# KiCad board sun3_60_layout2_routing2.kicad_pcb (continued)
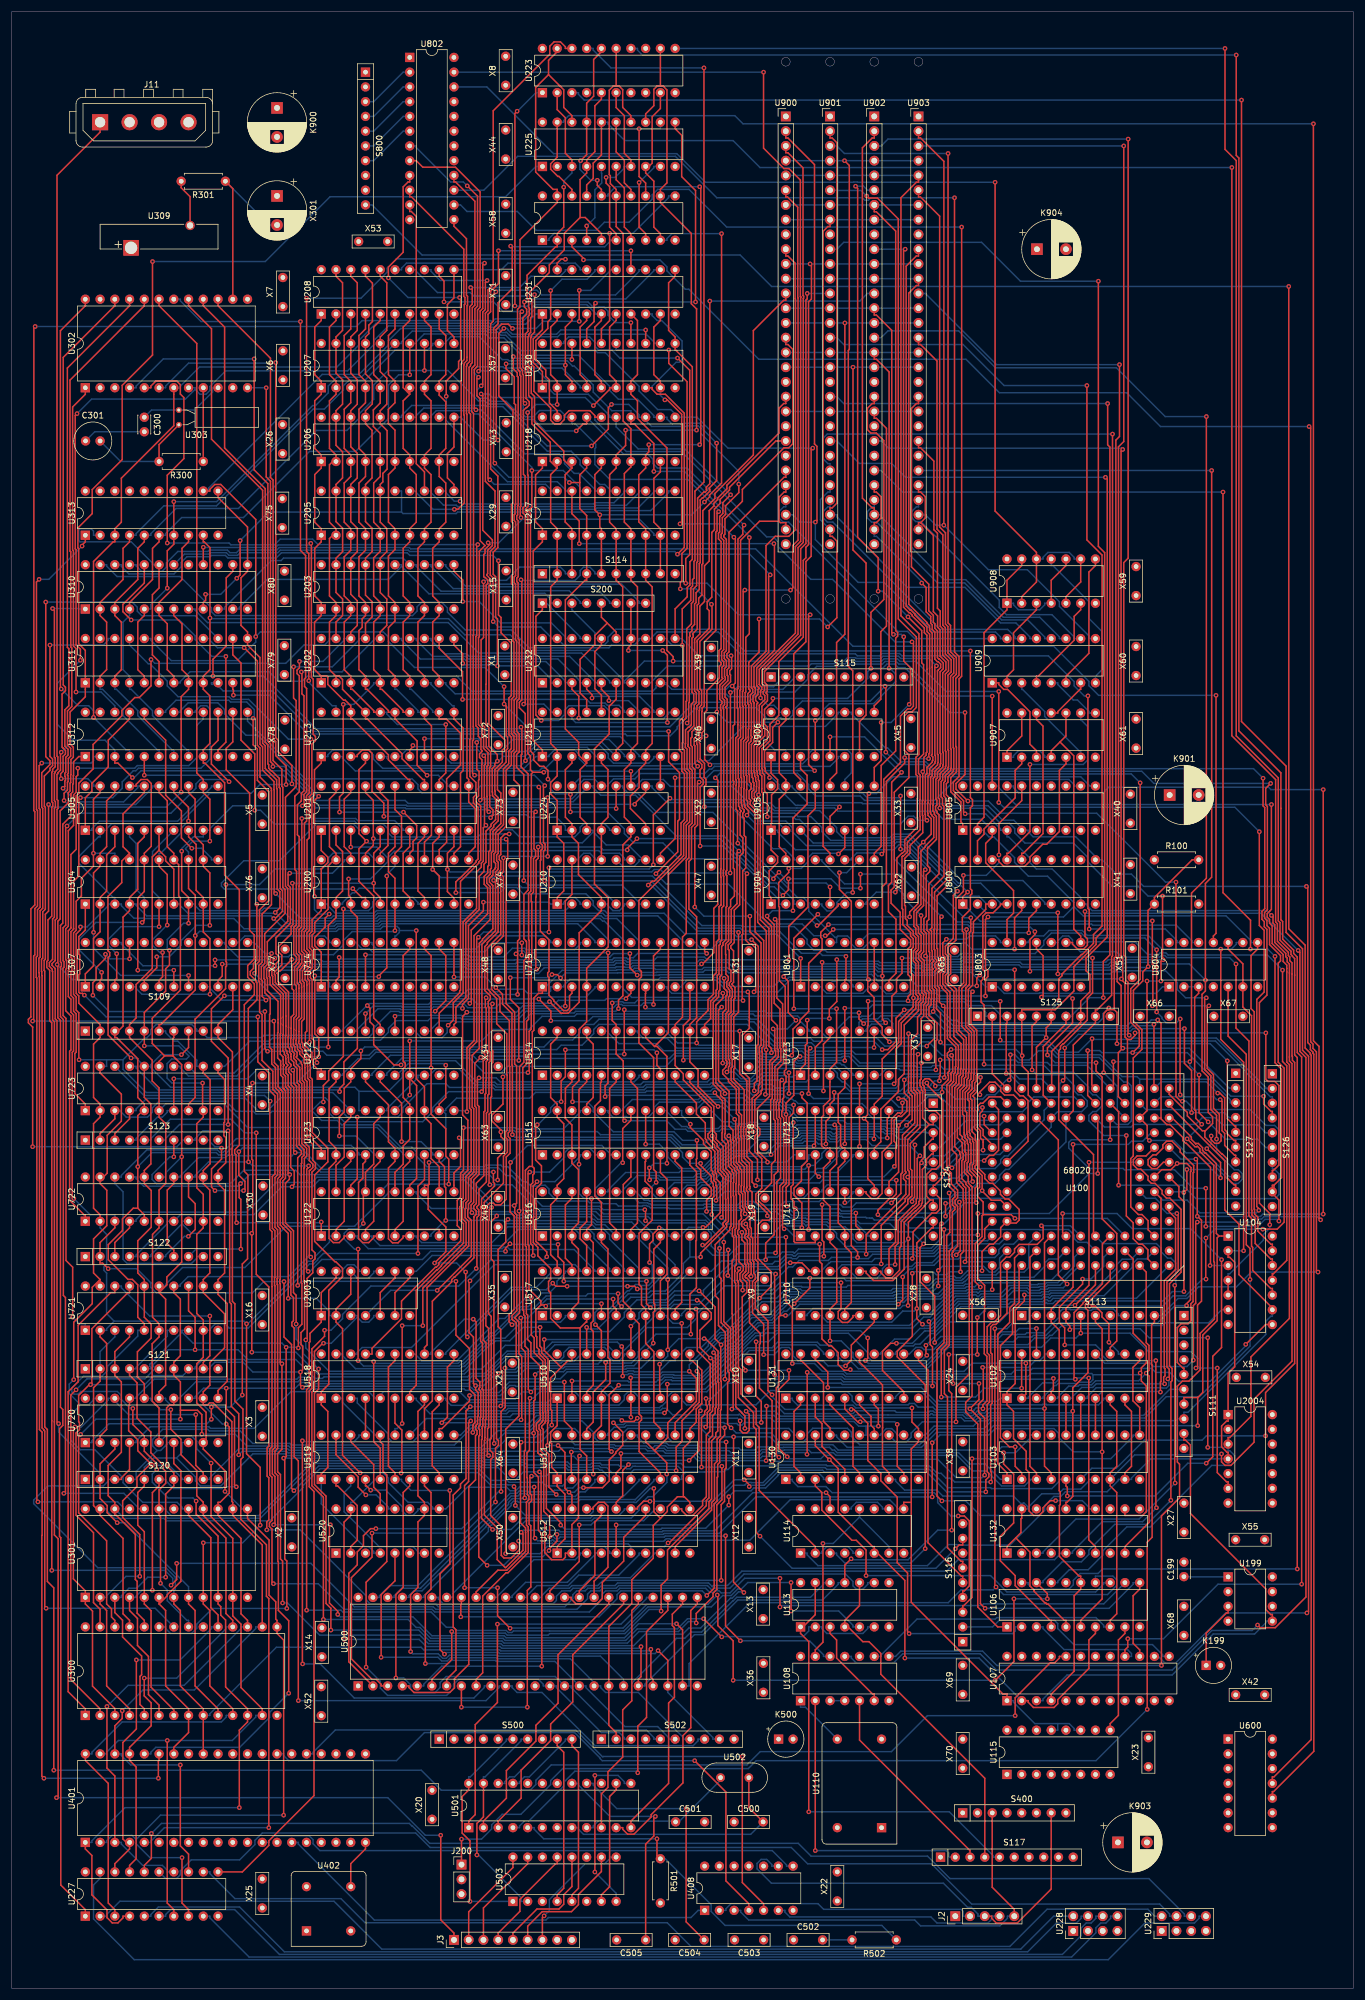
[diagram p0: board, top side]
## Routing (per net, layer and track width the routed paths; a pad name or vN(x,y) marks a point on that pad's centre or on a via; arc(x,y) is an arc through that point) (continued)
  Bottom w0.25: v1(133.54,134.69) 134.7,133.53 142.63,133.53 142.77,133.39 145.32,133.39 v1(145.43,133.49) ; U715.9 112.89,172.46 112.89,172.17 113.73,171.33 122.5,171.33 v1(122.52,171.35) ; v1(122.87,154.05) 126.14,154.05 127.15,153.04 132.72,153.04 133.65,152.11 134.7,152.11 v1(134.7,152.11)
/SCSI 2, Parity/PAR3-: length 97.2
  Top w0.25: U710.5 144.94,115.84 144.94,115.57 144.03,114.66 143.1,114.66 142.39,115.36 142.39,116.54 142.88,117.02 v1(142.88,121.51) ; v1(125.93,120.22) 125.93,121.46 125.59,121.79 125.59,121.95 125.46,122.09 125.46,123.06 126.05,123.65 126.05,124.37 125.3,125.12 125.3,129.66 125.07,129.88 125.07,130.48 125.3,130.71 125.3,132.11 125.73,132.54 125.73,132.95 125.62,133.06 125.62,133.66 125.73,133.77 125.73,134.07 125.48,134.31 125.48,136.59 125.23,136.84 125.23,138.34 125.3,138.41 125.3,140.74 125,141.03 125,141.35 124.39,141.96 124.39,143 124.39,143 124.39,145.96 124.28,146.06 124.28,147.74 123.59,148.43 123.59,154.47 121.77,156.3 121.77,168.41 v1(122.31,168.96) ; v1(109.18,168.96) 109.18,171.29 109.22,171.33 U715.8
  Bottom w0.25: v1(122.31,168.96) 122.04,168.68 109.46,168.68 v1(109.18,168.96) ; v1(142.88,121.51) 132.33,121.51 131.05,120.22 v1(125.93,120.22)
/SCSI 2, Parity/PAR.CHK-: length 35.2
  Bottom w0.25: U715.23 92.85,180.08 92.85,180.36 91.99,181.22 82.24,181.22 79.97,178.95 62.93,178.95 62.09,179.79 62.09,180.08 U714.17
/SCSI 2, Parity/PAR.ERR-: length 45.2
  Top w0.25: U714.4 v1(60.96,177.96)
  Bottom w0.25: v1(60.96,177.96) 78.62,177.96 78.98,177.6 84.77,177.6 86.26,179.09 88.38,179.09 88.62,178.85 96.99,178.85 97.93,179.79 97.93,180.08 U715.21
/SCSI 2, Parity/PAR.IRQ-: length 19
  Bottom w0.25: U307.14 39.23,180.08 39.23,180.26 40.17,181.2 53.91,181.2 54.75,180.36 54.75,180.08 U714.19
/SCSI 2, Parity/PAR.SAMPLE: length 152.5
  Top w0.25: U720.11 35.56,102.95 37.14,104.53 37.14,117.91 35.56,119.49 U721.11 35.56,122.05 36.69,123.18 36.69,137.45 35.56,138.57 U722.11 35.56,140.83 36.89,142.16 36.89,146.5 36.56,146.83 36.56,149.03 36.69,149.15 36.69,156.51 35.56,157.63 U723.11 ; U715.16 111.76,178.95 110.57,177.76 v1(110.57,169.41)
  Bottom w0.25: U723.11 36.69,158.76 41.02,163.09 44.4,163.09 44.97,163.66 51.63,163.66 52.04,163.25 63.53,163.25 64.91,164.63 64.91,165.31 66.23,166.63 71.73,166.63 72.18,167.08 77.32,167.08 77.51,166.89 87.28,166.89 88.65,168.27 94.55,168.27 94.68,168.4 96.26,168.4 96.54,168.68 103.5,168.68 104.24,169.43 105.07,169.43 105.27,169.23 108.43,169.23 108.88,169.69 110.3,169.69 v1(110.57,169.41)
/SCSI 2, Parity/PAR.TEST-: length 154.1
  Top w0.25: v1(87.89,180.03) v1(87.89,177.91) ; U710.4 143.53,116.97 144.65,118.1 144.65,126.65 143.53,127.77 U711.4 143.53,130.67 142.4,131.79 142.4,141.27 143.53,142.39 U712.4 143.53,144.65 143.27,144.65 142.8,145.12 142.8,148.69 142.4,149.09 142.4,153.97 143.53,155.09 U713.4 ; v1(106.51,178.18) 106.51,175.72 v1(107.76,174.47) ; v1(122.49,159.32) 122.49,168.02 123.04,168.57 123.04,170.84 123.25,171.05 123.25,171.65 123.04,171.87 123.04,171.88 122.74,172.18 v1(122.74,173.9)
  Bottom w0.25: v1(87.89,180.03) 83.05,180.03 81.5,178.48 62.11,178.48 61.65,178.95 60.39,178.95 59.55,179.79 59.55,180.08 U714.18 ; U713.4 141.91,158.83 135.14,158.83 134.95,159.02 128.97,159.02 127.49,157.53 125.57,157.53 123.77,159.32 v1(122.49,159.32) ; v1(122.74,173.9) 122.11,174.53 111.59,174.53 111.53,174.47 v1(107.76,174.47) ; v1(87.89,177.91) 88.25,177.55 103.03,177.55 103.66,178.18 v1(106.51,178.18)
/SCSI 2, Parity/RD.PAR0-: length 153.3
  Top w0.25: U715.13 119.38,178.55 v1(119.73,178.2) ; v1(41.61,218.67) 41.61,214.12 42.33,213.4 42.33,208.01 44.31,206.03 44.31,187.31 42.69,185.7 42.69,176.86 42.12,176.28 42.12,175.06 v1(41.84,174.78) ; U714.2 55.88,173.58 56.42,174.12 v1(56.42,177.51)
  Bottom w0.25: v1(41.61,218.67) 41.8,218.86 41.8,220.19 40.5,221.49 37.72,221.49 37.42,221.79 28.32,221.79 26.53,220 26.53,219.72 U312.19 ; v1(41.84,174.78) 43.83,172.8 49.1,172.8 49.92,173.61 54.25,173.61 54.75,173.1 54.75,172.46 U714.2 ; v1(56.42,177.51) 56.7,177.23 78.7,177.23 78.88,177.06 86.59,177.06 86.64,177.1 103.44,177.1 103.78,177.44 105.93,177.44 106.21,177.16 106.24,177.16 106.53,177.45 107.1,177.45 107.85,178.2 v1(119.73,178.2)
/SCSI 2, Parity/RD.PAR4-: length 94.8
  Top w0.25: v1(11.86,205.02) 11.57,204.74 11.57,191.52 10.67,190.62 10.67,182.5 10.67,182.5 10.67,182.37 10.22,181.92 10.22,177.51 10.38,177.35 10.38,175.25 10.22,175.09 10.22,170.96 10.67,170.51 10.67,168.25 11.12,167.8 11.12,161.2 10.9,160.98 10.9,154.07 12.7,152.27 U723.1
  Bottom w0.25: U312.17 31.61,219.72 31.61,219.9 32.56,220.85 33.61,220.85 34.18,220.28 34.18,211.66 32.62,210.09 21.84,210.09 21.39,209.64 20.95,209.64 19.05,207.74 19.05,206.62 17.45,205.02 v1(11.86,205.02)
/SCSI 2, Parity/RD.PAR5-: length 110.3
  Top w0.25: U722.1 12.7,133.21 12.48,133.21 9.99,135.69 9.99,161.35 10.22,161.58 10.22,167.43 9.31,168.33 9.31,175.46 9.48,175.62 9.48,176.97 9.31,177.13 9.31,182.42 9.77,182.87 9.77,199.34 10.67,200.24 10.67,205.29 10.68,205.3 10.68,205.51 11.12,205.95 11.12,208.62 11.4,208.9 v1(11.4,210.09)
  Bottom w0.25: v1(11.4,210.09) 21.2,210.09 21.65,210.54 30.53,210.54 31.89,211.91 31.89,217.47 33.02,218.59 U312.16
/SCSI 2, Parity/RD.PAR6-: length 135
  Top w0.25: v1(37.46,207.77) 34.42,210.81 34.42,213.76 35.56,214.9 U312.15 ; v1(9.54,200.14) 9.31,199.91 9.31,183.06 8.86,182.61 8.86,176.94 9.02,176.78 9.02,175.81 8.86,175.65 8.86,167.5 9.36,167 9.36,125.33 10.52,124.18 v1(10.52,115.57)
  Bottom w0.25: v1(37.46,207.77) 37.08,208.15 32.5,208.15 31.75,207.39 31.75,206.64 27.45,202.34 11.74,202.34 v1(9.54,200.14) ; v1(10.52,115.57) 11.65,114.43 12.7,114.43 U721.1
/SCSI 2, Parity/RD.PAR7-: length 154.2
  Top w0.25: v1(39.74,102.15) 39.74,124.72 40.64,125.62 40.64,136.05 40.7,136.11 40.7,140.06 40.09,140.68 40.09,169.38 41.81,171.1 41.81,172.96 40.66,174.1 40.66,176.11 41.79,177.23 41.79,181.39 41,182.18 41,205.78 36.97,209.81 36.97,213.5 38.1,214.63 U312.14 ; v1(34.41,100.09) v1(34.41,97.99)
  Bottom w0.25: U720.1 13.83,93.98 13.83,94.26 16.79,97.22 33.65,97.22 v1(34.41,97.99) ; v1(34.41,100.09) 37.68,100.09 v1(39.74,102.15)
/SCSI 2, Parity/WR.PAR0-: length 69.6
  Top w0.25: U714.1 53.34,178.41 52.21,179.54 52.21,180.95 54.01,182.75 54.01,184.28 v1(54.71,184.98) ; v1(52.17,188.01) 52.17,204.54 v1(52.9,205.26)
  Bottom w0.25: v1(54.71,184.98) 52.93,184.98 52.17,185.74 v1(52.17,188.01) ; v1(52.9,205.26) 42.4,215.76 40.38,215.76 36.69,219.46 36.69,220.19 35.53,221.34 30.4,221.34 29.07,220 29.07,219.72 U312.18
/SCSI 2, Parity/WR.PAR4-: length 103.7
  Top w0.25: v1(90.82,206.85) 91.08,206.59 91.08,197.19 91.44,196.82 91.44,196.22 91.17,195.95 91.17,194.29 91.08,194.21 91.08,182.04 92.57,180.54 92.57,175.08 92.35,174.86 92.35,174.26 92.57,174.03 92.57,171.01 93.38,170.2 93.38,170.05 95.08,168.34 95.68,168.34 96.11,168.77 96.11,170.92 96.52,171.33 U715.3
  Bottom w0.25: U312.13 40.64,218.19 50.57,208.26 68.99,208.26 69.99,207.26 69.99,206.54 70.69,205.84 79.6,205.84 80.86,207.11 90.56,207.11 v1(90.82,206.85)
/SIMMs 1/CE00-: length 15.8
  Top w0.25: U909.2 171.47,225.91 172.59,227.04 172.59,233.42 176.55,237.37 U908.3
/SIMMs 1/CE01-: length 17
  Top w0.25: U908.6 184.16,237.37 183.04,236.24 183.04,232.13 176.83,225.91 176.55,225.91 U909.4
/SIMMs 1/CE02-: length 23.4
  Top w0.25: U909.6 181.62,225.91 185.58,229.87 185.58,243.86 186.71,244.99 U908.8
/SIMMs 1/CE03-: length 25.6
  Bottom w0.25: U908.11 179.09,244.99 179.37,244.99 185.58,238.78 185.58,235.89 187.83,233.63 187.83,227.04 186.71,225.91 U909.8
/SIMMs 1/M.A0.0: length 158.4
  Top w0.25: v1(143.48,314.69) 144.31,313.87 144.31,282.19 144.13,282.02 144.13,227.62 144.89,226.86 v1(144.89,188.7)
  Bottom w0.25: v1(144.89,188.7) 143.88,188.7 142.16,186.98 142.16,186.28 141.4,185.52 140.47,185.52 139.57,186.42 139.57,186.7 U904.4 ; U900.4 U901.4 v1(143.48,314.69) U902.4 U903.4
/SIMMs 1/M.A1.0: length 158.2
  Top w0.25: v1(152.23,188.75) 152.5,189.02 152.5,194.61 153.32,195.43 153.43,195.43 153.86,195.86 153.86,197.79 156.05,199.98 156.05,201.56 156,201.61 156,204.83 156.05,204.89 156.05,208.73 155.78,209 155.78,211.96 156.3,212.49 156.3,233.23 153.2,236.34 153.2,308.32 155.86,310.98 156.22,310.98 U903.5
  Bottom w0.25: U904.7 147.19,186.7 147.19,186.98 148.96,188.75 v1(152.23,188.75) ; U900.5 U901.5 U902.5 U903.5
/SIMMs 1/M.A2.0: length 139.2
  Top w0.25: U902.7 148.6,305.9 148.97,305.9 152.29,302.57 152.29,233.78 152.63,233.44 152.63,232.83 152.29,232.49 152.29,213.06 149.79,210.56 149.79,196.63 148.6,195.45 U904.9
  Bottom w0.25: U900.7 U901.7 U902.7 U903.7
/SIMMs 1/M.A3.0: length 134.3
  Top w0.25: U901.8 140.99,303.36 140.62,303.36 139.79,302.53 139.79,196.64 140.99,195.45 U904.12
  Bottom w0.25: U900.8 U901.8 U902.8 U903.8
/SIMMs 1/M.A4.0: length 131.5
  Top w0.25: v1(130.18,201.72) 130.18,205.66 129.7,206.15 129.7,208.92 129.36,209.26 129.36,209.89 129.25,210 129.25,213.41 130.64,214.8 130.64,217.67 132.16,219.2 132.16,228.45 136.38,232.67 136.38,245.86 136.83,246.31 136.83,248.14 137.28,248.6 137.28,290.38 137.78,290.88 137.78,296.69 v1(137.55,296.92)
  Bottom w0.25: U900.11 v1(137.55,296.92) U901.11 U902.11 U903.11 ; v1(130.18,201.72) 134.64,201.72 135.09,201.27 135.73,201.27 137.32,199.68 137.32,199.4 U905.4
/SIMMs 1/M.A5.0: length 132.6
  Top w0.25: v1(157.68,201.11) 157.41,201.39 157.41,202.12 157.35,202.17 157.35,204.27 157.41,204.33 157.41,208.91 157.68,209.19 157.68,210.23 158.61,211.16 158.61,211.35 158.69,211.43 158.69,212.03 158.45,212.27 158.45,212.37 158.59,212.5 158.59,227.49 158.58,227.49 158.58,233.36 158.13,233.81 158.13,234.59 157.68,235.05 157.68,235.19 154.55,238.31 154.55,291.89 155.86,293.2 156.22,293.2 U903.12
  Bottom w0.25: U903.12 U902.12 U901.12 U900.12 ; v1(157.68,201.11) 156.1,201.11 155.38,201.83 154.45,201.83 153.15,200.53 148.04,200.53 147.19,199.68 147.19,199.4 U905.7
/SIMMs 1/M.A6.0: length 112.3
  Top w0.25: v1(149.79,217.97) 149.79,211.43 148.6,210.24 U905.9 ; v1(151.91,233.14) 151.61,233.43 151.61,285.48 148.97,288.12 148.6,288.12 U902.14 ; v1(153.68,232.71) 153.68,228.54 154.84,227.38 154.84,221.31 v1(154.62,221.09)
  Bottom w0.25: v1(153.68,232.71) 153.26,233.14 v1(151.91,233.14) ; U903.14 U902.14 U901.14 U900.14 ; v1(154.62,221.09) 151.5,217.97 v1(149.79,217.97)
/SIMMs 1/M.A7.0: length 103.7
  Top w0.25: U905.12 140.99,208.15 142.11,209.27 142.11,231.73 143.53,233.16 v1(143.53,286.75)
  Bottom w0.25: U900.15 U901.15 v1(143.53,286.75) U902.15 U903.15
/SIMMs 1/M.A8.0: length 104.6
  Top w0.25: U902.17 148.6,280.5 148.97,280.5 151.16,278.31 v1(151.16,227.29) ; v1(138.44,218.29) U906.4
  Bottom w0.25: v1(151.16,227.29) 151.3,227.29 152.27,226.32 152.27,224.99 148.49,221.21 140.88,221.21 139.57,219.9 139.57,219.14 138.72,218.29 v1(138.44,218.29) ; U900.17 U901.17 U902.17 U903.17
/SIMMs 1/M.A9.0: length 91.3
  Top w0.25: U906.7 146.06,218.13 146.07,218.13 147.19,219.25 147.19,245.41 144.94,247.66 v1(144.94,279.13)
  Bottom w0.25: U903.18 U902.18 v1(144.94,279.13) U901.18 U900.18
/SIMMs 1/M.CE00-: length 118.7
  Top w0.25: v1(138.46,252.46) 138.73,252.74 138.73,265.5 138.31,265.93 138.31,314.02 133.73,318.6 133.37,318.6 U900.2
  Bottom w0.25: U900.28 134.54,253.74 135.81,252.46 v1(138.46,252.46) 138.46,249.45 145.82,242.09 150.29,242.09 158.84,233.53 169.49,233.53 170.34,232.69 170.34,232.41 U909.15
/SIMMs 1/M.CE01-: length 112.2
  Top w0.25: U901.2 140.99,318.6 141.35,318.6 142.16,317.79 142.16,255.72 141.35,254.91 140.99,254.91 U901.28
  Bottom w0.25: U909.13 175.42,232.41 175.42,232.69 173,235.1 170.36,235.1 164.24,241.23 154.3,241.23 142.16,253.37 142.16,253.74 U901.28
/SIMMs 1/M.CE02-: length 110.4
  Top w0.25: U902.28 148.6,254.91 148.24,254.91 146.56,256.59 146.56,316.92 148.24,318.6 148.6,318.6 U902.2
  Bottom w0.25: U902.28 149.78,253.74 149.78,253.37 160.59,242.56 164.34,242.56 170.82,236.08 177.11,236.08 180.5,232.69 180.5,232.41 U909.11
/SIMMs 1/M.CE03-: length 109.9
  Top w0.25: U903.2 156.22,318.6 156.58,318.6 160.59,314.59 v1(160.59,251.93)
  Bottom w0.25: U903.28 157.4,253.74 159.21,251.93 v1(160.59,251.93) 168.25,244.27 174.96,244.27 180.5,238.73 180.5,237.95 185.58,232.87 185.58,232.41 U909.9
/SIMMs 1/M.RE00-: length 49.2
  Bottom w0.25: U900.27 133.37,255.1 133,255.1 132.16,254.26 132.16,253.2 132.9,252.47 133.85,252.47 152.67,233.64 154.34,233.64 155.57,232.41 U909.16
/SIMMs 1/M.RE01-: length 46.8
  Bottom w0.25: 174,232.41 172.88,232.41 172.88,232.69 171.58,233.99 159.95,233.99 141.47,252.47 140.52,252.47 139.79,253.2 139.79,254.27 140.62,255.1 140.99,255.1 U901.27
/SIMMs 1/M.RE02-: length 44.2
  Bottom w0.25: U909.12 177.96,232.41 177.96,232.69 175.02,235.63 170.55,235.63 164.17,242 159.51,242 149.04,252.47 148.14,252.47 147.41,253.2 147.41,254.27 148.24,255.1 148.6,255.1 U902.27
/SIMMs 1/M.RE03-: length 42.4
  Bottom w0.25: U903.27 156.22,255.1 155.86,255.1 155.05,254.29 155.05,253.24 155.73,252.56 156.6,252.56 170.13,239.04 170.13,237.77 171.37,236.53 179.2,236.53 183.04,232.69 183.04,232.41 184.16,232.41
/SIMMs 1/M.WE.0-: length 76.6
  Top w0.25: U906.9 148.6,220.85 149.73,221.98 149.73,233.6 150.7,234.57 150.7,268.61 148.97,270.34 148.6,270.34 U902.21
  Bottom w0.25: U903.21 U902.21 U901.21 U900.21
/SIMMs 1/XE00-: length 17
  Top w0.25: U909.1 170.05,224.79 170.05,224.51 170.9,223.66 171.56,223.66 175.42,219.81 175.42,214.23 176.55,213.1 U907.3
/SIMMs 1/XE01-: length 17.3
  Bottom w0.25: 174,224.79 174,223.66 174.15,223.66 177.96,219.85 177.96,219.02 183.88,213.1 184.16,213.1 U907.6
/SIMMs 1/XE02-: length 10.1
  Bottom w0.25: U907.8 185.58,219.59 185.58,219.87 183.61,221.84 182.88,221.84 180.21,224.51 180.21,224.79 U909.5
/SIMMs 1/XE03-: length 8
  Top w0.25: 184.16,224.79 184.16,223.66 184.04,223.66 180.21,219.83 180.21,219.59 U907.11
/SIZ0: length 318.1
  Top w0.25: v1(201.93,137.04) 202.45,137.55 v1(202.45,141) ; v1(67.28,114.11) v1(67.28,97.26) ; v1(113.42,204.91) 110.55,202.05 v1(110.55,193.47) ; v1(208.26,139.55) 208.26,142.21 v1(205.88,144.58) ; v1(80.41,180.98) 80.11,180.68 80.11,162.98 78.89,161.75 78.89,151.55 79.17,151.27 79.17,140.72 78.25,139.8 78.25,135.89 77.8,135.43 77.8,134.51 77.66,134.38 77.66,132.5 78.29,131.87 78.29,128.02 70.83,120.56 v1(70.83,114.11) ; v1(206.64,146.77) 206.64,146.13 207.27,145.5 207.91,145.5 208.35,145.94 208.35,146.98 208.04,147.28 208.04,150.52 207.04,151.53 207.04,157.33 205.97,158.4 205.97,168.9 v1(206.24,169.18) ; v1(92.56,181.88) v1(92.56,192.97) ; v1(196.51,169.18) 196.59,169.26 196.59,176.24 196.51,176.32 v1(196.51,183.8) ; v1(164.69,188.77) 163.84,187.93 U800.1
  Bottom w0.25: v1(201.93,137.04) 201.81,137.16 U100.66 ; v1(110.55,193.47) 109.82,192.74 92.79,192.74 v1(92.56,192.97) ; v1(206.64,146.77) 206.64,145.34 v1(205.88,144.58) ; v1(196.51,183.8) 196.45,183.75 166.87,183.75 164.48,186.14 163.84,186.14 U800.1 ; v1(202.45,141) 206.81,141 v1(208.26,139.55) ; v1(206.24,169.18) v1(196.51,169.18) ; U519.15 66.04,96.39 66.41,96.39 v1(67.28,97.26) ; v1(113.42,204.91) 113.64,204.69 125.75,204.69 127.65,202.79 130.53,202.79 130.98,202.34 134.88,202.34 135.46,201.76 137.69,201.76 139.57,199.88 139.57,199.19 141.09,197.67 151.47,197.67 152.09,198.29 154.46,198.29 162.9,189.84 163.61,189.84 v1(164.69,188.77) ; v1(80.41,180.98) 81.31,181.88 v1(92.56,181.88) ; v1(70.83,114.11) v1(67.28,114.11)
/SIZ1: length 285.7
  Top w0.25: v1(112.96,104.04) 112.96,99.57 v1(112.46,99.08) ; v1(180.22,185.2) v1(180.22,174.67) ; v1(207.57,146.24) 207.57,150.32 206.58,151.31 206.58,157.14 205.52,158.21 205.52,170.28 v1(205.8,170.56) ; v1(202.4,117.57) 202.4,117.9 203.07,118.57 203.07,140.59 203.17,140.69 203.17,141.31 202.44,142.04 v1(200.77,142.04) 199.7,140.96 198.13,140.96 U100.80 ; v1(147.48,111.99) 147.48,108.48 v1(147.09,108.09)
  Bottom w0.25: U800.2 167.88,185.2 v1(180.22,185.2) ; U519.14 71.44,98.12 74.41,98.12 74.44,98.09 78.45,98.09 78.79,98.43 85.86,98.43 86.36,98.93 90.09,98.93 90.24,99.08 v1(112.46,99.08) ; v1(200.77,142.04) 206.82,142.04 210.27,138.6 211.29,138.6 212,139.3 212,140.28 211.33,140.95 210.63,140.95 207.57,144.01 v1(207.57,146.24) ; v1(180.22,174.67) 189.24,174.67 189.66,175.09 189.76,175.09 189.81,175.04 191.53,175.04 191.7,175.21 198.78,175.21 200.81,173.18 200.81,171.98 202.23,170.56 v1(205.8,170.56) ; v1(147.48,111.99) 146.22,113.25 131.66,113.25 131.26,112.84 129.9,112.84 129.44,112.39 128.27,112.39 125.08,109.2 124.44,109.2 119.28,104.04 v1(112.96,104.04) ; v1(202.4,117.57) 200.41,117.57 197.43,114.59 180.34,114.59 178.18,112.43 176.03,112.43 175.75,112.15 173.38,112.15 172.56,111.33 161.05,111.33 157.32,107.6 147.59,107.6 v1(147.09,108.09)
/sun3_60_cpu/BACK-: length 55
  Bottom w0.25: U131.13 152.27,109.22 152.27,109.5 153.39,110.62 155.34,110.62 155.65,110.93 156.48,110.93 158.3,112.75 158.88,112.75 163.51,117.38 165.52,117.38 165.52,117.39 165.58,117.39 165.65,117.32 167.31,117.32 167.76,117.77 171.72,117.77 172.17,118.22 177.63,118.22 178,118.59 178.37,118.59 178.6,118.36 178.96,118.36 179.41,118.81 193.76,118.81 U100.1
/sun3_60_cpu/BERR.P-: length 352.4
  Top w0.25: v1(131,102.21) 130.29,102.92 130.29,114.91 128.1,117.1 128.1,121.52 128.56,121.98 128.56,125.05 128.1,125.51 128.1,133.91 127.55,134.46 127.55,137.07 127.09,137.54 127.09,137.64 127.2,137.75 127.2,138.07 127.1,138.17 127.1,142.04 126.2,142.95 126.2,143.74 126.19,143.75 126.19,146.7 126.09,146.81 126.09,148.16 126.19,148.27 126.19,154.72 124.39,156.52 124.39,158.28 124.58,158.46 124.58,160.19 124.39,160.37 124.39,167.26 125.21,168.07 v1(125.21,181.82) ; v1(144.64,99.69) 145.09,99.69 147.48,97.31 147.48,90.89 149.73,88.64 149.73,87.41 152.56,84.58 152.56,73.3 154.34,71.52 154.34,61.36 v1(154.61,61.08) ; v1(109.67,189.97) 110.35,190.65 110.75,190.65 115.32,195.22 115.32,200.65 115.9,201.23 115.9,209.13 115.45,209.59 115.45,212.78 115.05,213.17 115.05,218.22 115.73,218.9 115.73,231.05 v1(115.53,231.25) 115.53,237.52 117,238.99 117,241.16 117.3,241.46 117.3,242.57 117.55,242.82 117.55,245.69 117.72,245.86 117.72,257.79 119.26,259.34 v1(119.26,330.67)
  Bottom w0.25: U106.2 172.88,62.24 172.88,61.54 172.43,61.08 v1(154.61,61.08) ; v1(144.64,99.69) 133.21,99.69 131,101.9 v1(131,102.21) ; v1(115.53,231.25) 113.81,231.25 112.89,232.18 112.89,232.42 U232.12 ; v1(119.26,330.67) 103.26,330.67 100.19,333.74 100.19,334.02 U223.17 ; v1(125.21,181.82) 124.99,182.05 118.08,182.05 110.16,189.97 v1(109.67,189.97)
/sun3_60_cpu/BERR.T-: length 430
  Top w0.25: v1(192.28,60.2) 192.28,58.78 191.78,58.29 U107.16 ; v1(210.96,332.89) 210.96,315.6 211.41,315.15 211.41,216.52 218.65,209.29 218.65,203.17 218.65,184 218.95,183.7 218.95,180.65 220.84,178.76 220.84,178.21 221.47,177.58 221.47,161.13 222.22,160.38 v1(222.22,69.59)
  Bottom w0.25: v1(222.22,69.59) 207.82,69.59 198.43,60.2 v1(192.28,60.2) ; U223.14 107.81,334.02 107.81,333.74 108.65,332.89 v1(210.96,332.89) ; U107.16 192.91,57.16 192.91,57.66 192.23,58.34 181.29,58.34 177.67,61.96 177.67,62.24 U106.3
/sun3_60_cpu/BERR.V-: length 372.7
  Top w0.25: v1(165.16,230.28) 165.16,205.04 165.52,204.67 165.52,203.64 165.16,203.28 165.16,189.32 165.41,189.07 165.41,188.47 165.16,188.22 165.16,185.77 163.78,184.39 163.78,182.02 164.01,181.79 164.01,173.13 163.21,172.33 163.21,164.92 164.45,163.68 164.45,158 164.37,157.91 164.37,156.95 164.09,156.67 164.09,155.41 164,155.32 164,155.28 163.37,154.65 163.37,147.03 163.77,146.63 163.77,146.25 164.19,145.82 164.19,145.28 164.23,145.24 164.23,144.05 164.37,143.91 164.37,142.54 164.14,142.32 164.14,140.45 164.78,139.81 164.78,138.98 164.84,138.92 164.84,138.61 165.26,138.19 165.26,138.19 165.46,138 165.46,102 164.35,100.89 164.35,99.25 166.44,97.17 166.44,65.66 169.86,62.24 U106.1 ; U223.18 95.39,334.02 95.39,334.3 94.55,335.15 93.44,335.15 92.71,334.41 92.71,333.04 82.97,323.29 82.97,293.34 82.06,292.44 82.06,288.88 81.61,288.43 81.61,259.48 83.27,257.82 83.27,248.23 82.46,247.42 82.46,243.34 82.93,242.87 82.93,235.38 v1(82.96,235.34)
  Bottom w0.25: v1(82.96,235.34) 83.9,234.41 91.15,234.41 92.85,232.7 92.85,232.42 U232.19 95.13,231.27 102.05,231.27 102.73,231.94 102.73,232.65 104.09,234.01 122.54,234.01 126.26,230.28 v1(165.16,230.28)
/sun3_60_cpu/BERRCLK: length 411.7
  Top w0.25: v1(209.02,334.02) 209.02,316.64 210.96,314.71 210.96,215.66 218.2,208.42 218.2,183.81 218.5,183.51 218.5,180.47 220.39,178.58 220.39,178.02 220.64,177.78 220.64,177.69 221.02,177.31 221.02,174.46 221.02,174.46 221.02,160.74 221.47,160.28 v1(221.47,72.22)
  Bottom w0.25: U106.19 175.13,69.86 175.13,69.58 175.98,68.73 182.13,68.73 182.9,69.5 182.9,70.25 184.08,71.44 187.15,71.44 187.92,72.22 v1(221.47,72.22) ; U223.11 v1(209.02,334.02)
/sun3_60_cpu/BG-: length 64.3
  Top w0.25: U131.9 153.69,102.73 150.02,106.39 150.02,109.69 151.4,111.07 v1(152.42,111.07)
  Bottom w0.25: U100.15 195.46,125.6 193.92,125.6 193.05,124.74 193.05,124.14 188.18,119.27 179.23,119.27 178.78,118.82 178.56,119.04 177.81,119.04 177.45,118.68 171.78,118.68 171.33,118.22 167.57,118.22 167.12,117.77 165.83,117.77 165.76,117.84 165.34,117.84 165.33,117.83 163.24,117.83 159.64,114.23 159.64,114.16 158.69,113.2 157.42,113.2 157.39,113.18 157.26,113.18 155.15,111.07 v1(152.42,111.07)
/sun3_60_cpu/BR-: length 54
  Bottom w0.25: 148.6,109.22 149.73,109.22 149.73,109.43 152.1,111.8 154.64,111.8 156.47,113.63 157.21,113.63 157.23,113.65 158.5,113.65 159.19,114.34 159.19,114.42 163.05,118.28 165.14,118.28 165.15,118.29 165.95,118.29 166.02,118.22 166.93,118.22 167.38,118.68 171.14,118.68 172.6,120.13 174.76,120.13 175.17,119.72 177.21,119.72 177.44,119.94 178.63,119.94 178.85,120.17 186.49,120.17 190.33,124.01 190.33,124.57 191.31,125.55 192.87,125.55 U100.16
/sun3_60_cpu/C.S5-: length 448.9
  Top w0.25: v1(153.87,56.88) 153.87,70.24 148.6,75.5 ; v1(115.14,252.16) 115.43,252.45 115.43,271.03 112.94,273.51 v1(112.53,273.51) ; 148.6,75.5 U114.6 ; 148.6,75.5 148.6,76.07 148.32,76.07 142.4,81.99 142.4,89.49 v1(140.87,91.02) 138.44,93.45 138.44,95.26 ; U313.8 30.48,249.07 29.35,247.95 29.35,242.58 25.4,238.63 U310.6 25.4,236.37 26.81,234.96 26.81,227.05 27.94,225.93 U311.7 ; v1(124.42,249.86) 124.67,249.62 124.67,224.76 v1(124.13,224.22) 124.55,223.8 124.55,217.66 124.28,217.38 124.28,207.95 124.39,207.84 124.39,207.36 124.33,207.31 124.33,192.89 124.51,192.71 124.51,188.09 123.85,187.43 123.85,186.3 123.51,185.95 123.51,180.38 122.99,179.86 122.99,178.03 123.04,177.98 123.04,174.62 123.46,174.2 123.46,173.6 123.19,173.32 123.19,172.48 123.49,172.18 123.49,172.05 123.7,171.84 123.7,170.87 123.49,170.65 123.49,168.27 123.04,167.82 123.04,159.81 123.22,159.62 123.22,159.02 123.04,158.84 123.04,158.63 122.49,158.08 122.49,157.48 123.49,156.47 123.49,156.14 124.84,154.8 124.84,150.63 125.29,150.18 125.29,148.64 125.18,148.54 125.18,146.44 125.29,146.33 125.29,143.37 125.29,143.37 125.29,142.34 126.2,141.43 126.2,138.03 126.13,137.97 126.13,137.22 126.39,136.97 126.39,134.69 126.65,134.42 126.65,134.08 127.2,133.53 127.2,133.19 126.36,132.35 126.17,132.35 125.75,131.93 125.75,131.32 126.3,130.77 126.3,130.71 126.52,130.48 126.52,129.88 126.3,129.66 126.3,129.24 126.75,128.79 126.75,124.94 126.95,124.74 126.95,123.27 126.53,122.85 126.37,122.69 126.37,122.46 126.53,122.3 126.65,122.3 127.11,121.84 127.11,114.61 128.97,112.75 128.97,111.04 128.82,110.89 128.82,103.36 131,101.19 v1(131,90.74) ; U231.9 111.76,287.17 110.63,286.05 110.63,277.85 111.76,276.73 U230.9 ; U106.7 186.71,61.11 185.58,59.99 185.58,55.09 180.21,49.72 180.21,49.02 179.56,48.37 176.02,48.37 175.13,49.26 175.13,49.54 U107.2
  Bottom w0.25: U311.7 29.07,224.8 29.07,225.02 30.74,226.7 44.35,226.7 45.98,225.06 50.06,225.06 50.93,225.93 76.7,225.93 79.27,223.36 110.44,223.36 111.02,223.94 111.02,224.33 111.21,224.52 112.89,224.52 ; v1(112.53,273.51) 111.76,274.29 U230.9 ; v1(131,90.74) 140.6,90.74 v1(140.87,91.02) ; 112.89,224.52 112.89,224.8 U232.9 ; 112.89,224.52 113.73,223.67 123.09,223.67 123.64,224.22 v1(124.13,224.22) ; v1(124.42,249.86) 122.12,252.16 v1(115.14,252.16) ; v1(153.87,56.88) 166.67,56.88 U107.2
/sun3_60_cpu/C.S7: length 8.9
  Bottom w0.25: U114.10 150.02,82.56 150.02,82.84 149.17,83.69 145.5,83.69 144.65,82.84 144.65,82.56 U114.13
/sun3_60_cpu/C.S7X-: length 226
  Top w0.25: v1(123.94,229.46) 124.03,229.38 124.03,227.2 123.71,226.88 123.71,226.28 123.85,226.13 123.85,224.97 122.9,224.02 122.9,222.33 123.26,221.97 123.26,220.84 123.04,220.62 123.04,220.53 123.22,220.35 123.22,192.51 123.06,192.35 123.06,191.75 123.22,191.59 123.22,186.3 123.06,186.14 123.06,180.56 122.54,180.04 122.54,179.63 122.31,179.41 122.31,174.5 122.01,174.2 122.01,171.87 121.8,171.65 121.8,170.72 120.86,169.78 120.86,155.69 122.14,154.41 122.14,153.75 122.57,153.33 122.65,153.33 122.92,153.06 122.92,147.19 122.83,147.1 122.83,146.5 123.38,145.95 123.38,145.69 123.48,145.58 123.48,141.59 124.1,140.98 124.1,140.66 124.39,140.36 124.39,138.78 124.33,138.72 124.33,136.47 124.39,136.4 124.39,131.08 124.17,130.86 124.17,129.51 124.39,129.28 124.39,125.52 124.11,125.24 124.11,116.16 124.16,116.11 124.16,113.97 124.3,113.84 124.3,106.62 124.75,106.17 124.75,100.13 126.31,98.56 v1(126.31,96.42) ; U232.11 114.3,237.53 116.38,239.61 116.38,241.17 116.85,241.64 116.85,245.63 117.26,246.04 117.26,279.21 114.38,282.09 114.3,282.09 U230.11 114.3,284.35 113.17,285.47 113.17,293.67 114.3,294.79 U231.11
  Bottom w0.25: U232.11 115.43,232.42 118.38,229.47 v1(123.94,229.47) ; U130.19 134.78,95.26 134.78,95.54 133.9,96.42 v1(126.31,96.42)
